# Altium PCB PCB_ADC 原版.PcbDoc (continued)
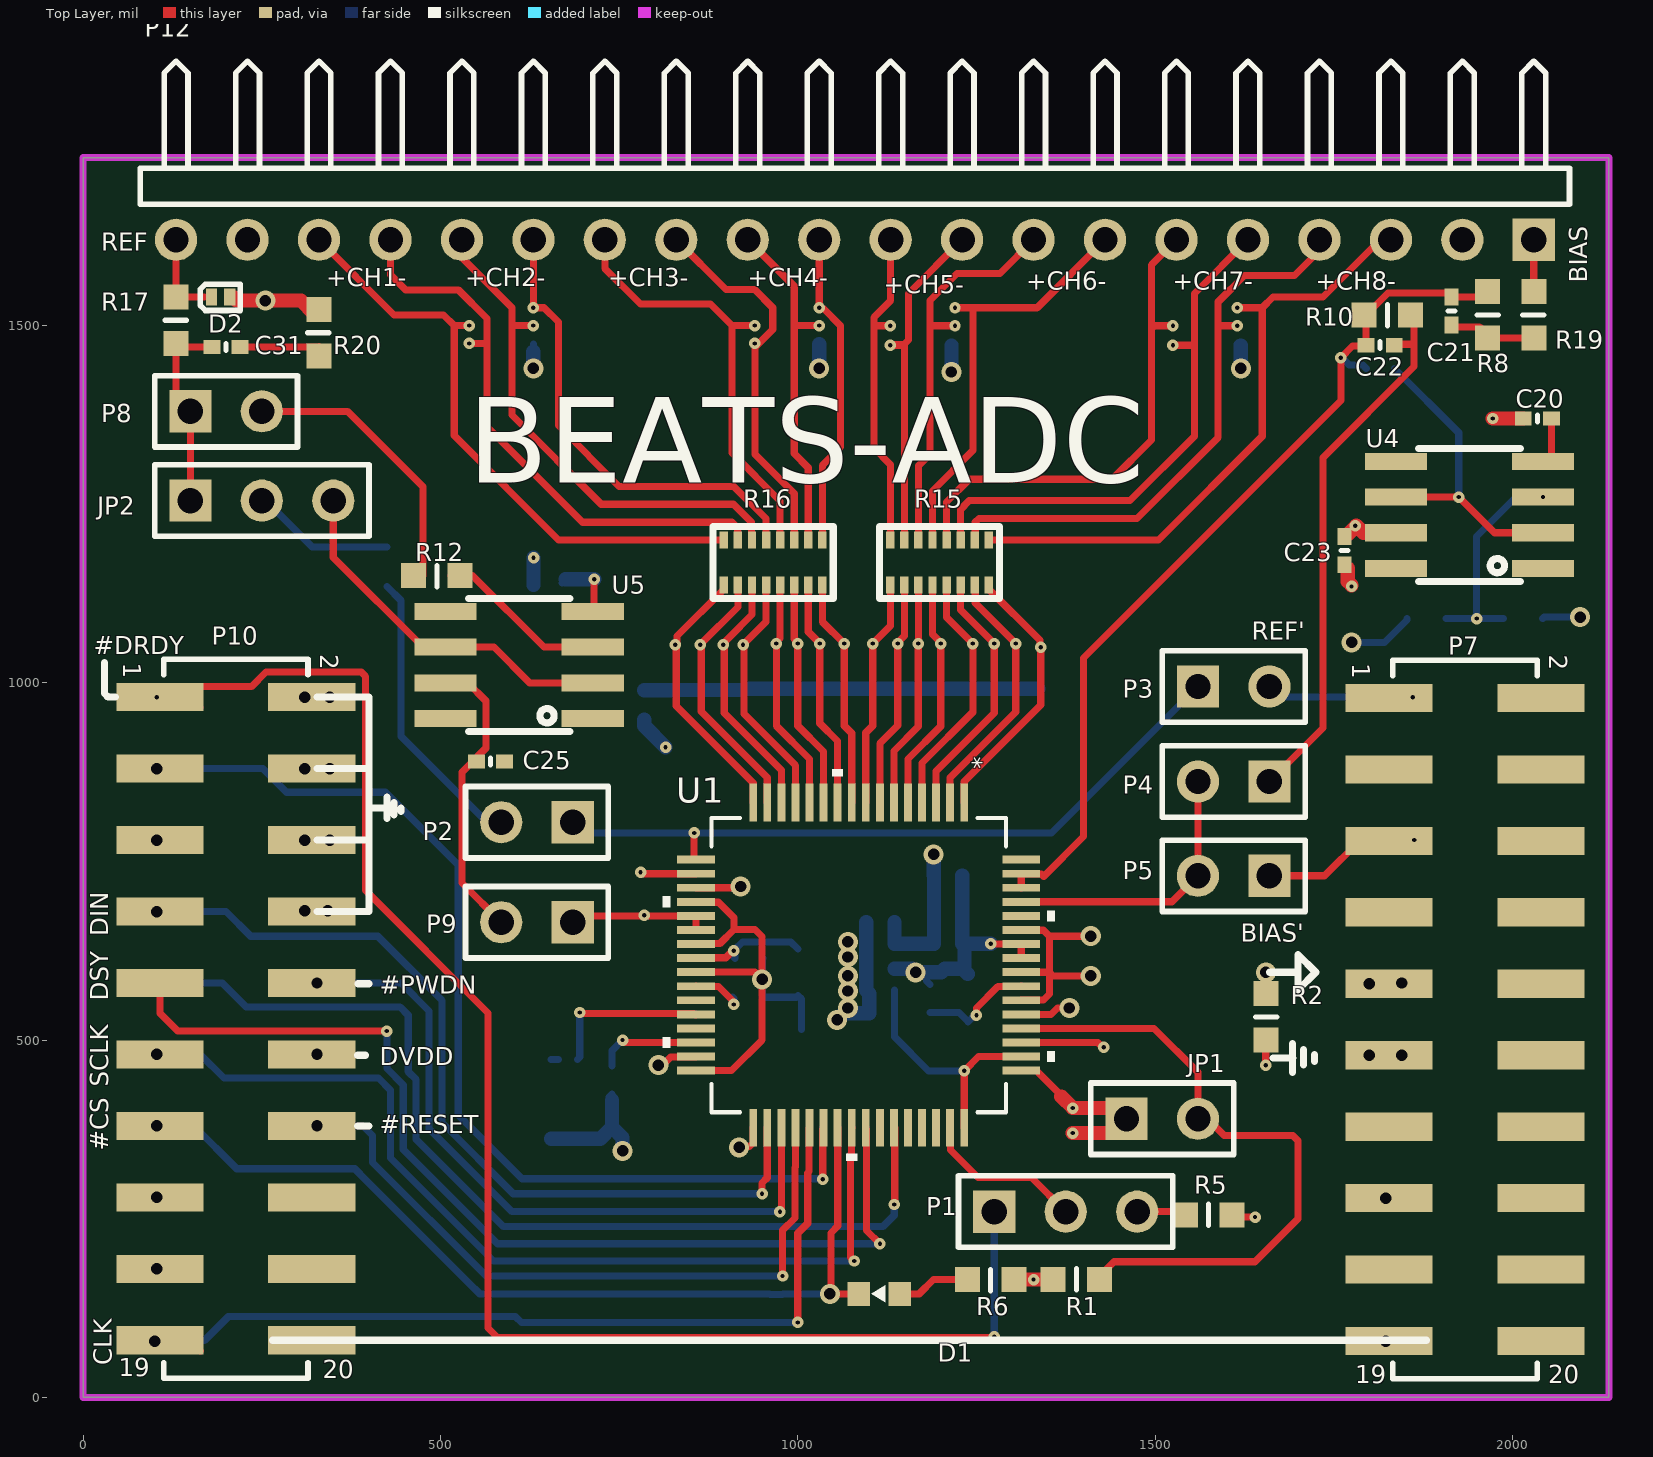
[diagram p0: Top Layer view]
## Footprints (in the part's own frame and the unit in brackets; to place one, negate y for a bottom-side part, rotate by r counter-clockwise, add the part's x,y. Pads: shape width x height; smd on the part's side, far side on the other; paste and mask are expansions set on the pad) (continued)
  silkscreen extent -12.77,-2.6 12.76,2.6, body extent -12.73,-3.2 12.73,3.2, height 5.15
LED_0603_G [mm]
  rect 0.8x0.85 smd: 1(-0.73,0) 2(0.73,0)
  silkscreen extent -0.22,-0.3 0.28,0.3, body extent -0.81,-0.4 0.81,0.4, height 0.6
PAG64_TEX [mil]
  rect 53x11 smd paste+0 mask+0: 1(-227.5,147.64) 2(-227.5,127.95) 3(-227.5,108.27) 4(-227.5,88.58) 5(-227.5,68.9) 6(-227.5,49.21) 7(-227.5,29.53) 8(-227.5,9.84) 9(-227.5,-9.84) 10(-227.5,-29.53) 11(-227.5,-49.21) 12(-227.5,-68.9) 13(-227.5,-88.58) 14(-227.5,-108.27) 15(-227.5,-127.95) 16(-227.5,-147.64) 33(227.5,-147.64) 34(227.5,-127.95) 35(227.5,-108.27) 36(227.5,-88.58) 37(227.5,-68.9) 38(227.5,-49.21) 39(227.5,-29.53) 40(227.5,-9.84) 41(227.5,9.84) 42(227.5,29.53) 43(227.5,49.21) 44(227.5,68.9) 45(227.5,88.58) 46(227.5,108.27) 47(227.5,127.95) 48(227.5,147.64)
  rect 11x53 smd paste+0 mask+0: 17(-147.64,-227.5) 18(-127.95,-227.5) 19(-108.27,-227.5) 20(-88.58,-227.5) 21(-68.9,-227.5) 22(-49.21,-227.5) 23(-29.53,-227.5) 24(-9.84,-227.5) 25(9.84,-227.5) 26(29.53,-227.5) 27(49.21,-227.5) 28(68.9,-227.5) 29(88.58,-227.5) 30(108.27,-227.5) 31(127.95,-227.5) 32(147.64,-227.5) 49(147.64,227.5) 50(127.95,227.5) 51(108.27,227.5) 52(88.58,227.5) 53(68.9,227.5) 54(49.21,227.5) 55(29.53,227.5) 56(9.84,227.5) 57(-9.84,227.5) 58(-29.53,227.5) 59(-49.21,227.5) 60(-68.9,227.5) 61(-88.58,227.5) 62(-108.27,227.5) 63(-127.95,227.5) 64(-147.64,227.5)
  silkscreen extent -274,-274 274,274, body extent -240,-240 240,240, height 47
SOIC8 [mil]
  rect 24x87 smd: 1(-75,-103) 2(-25,-103) 3(25,-103) 4(75,-103) 5(75,103) 6(25,103) 7(-25,103) 8(-75,103)
  silkscreen extent -93,-71 93,71

## Part data
C1 C2 C5 C6 C7 C8 C9 C10 C11 C12 C13 C14 C15 C16 C17 C18 C19 C20 C21 C22 C23 C24 C25 C31: "Capacitor", LatestRevisionDate=17-Jul-2002, LatestRevisionNote="Re-released for DXP Platform.", PackageDescription="Radial Cap, Thru-Hole; 2 Leads; 0.3 in Pin Spacing", PackageReference=RAD-0.3, Published=8-Jun-2000, Publisher="Altium Limited"
C27 C28 C29 C30: library part Cap, "CAP .1UF 50V CERAMIC Y5V 0805", Capacitance=4700pF, Dielectric Material=Ceramic, Manufacturer=TDK, Manufacturer Part Number=CKCA43X7R1H472M100AA, Number of Capacitors=4, Package / Case="1206 (3216 Metric)", PCN Part Number="MLCC Part Number Change 30/Nov/2012", Ratings=-, Standard Package=1, Supplier Part Number 1=445-1853-1-ND, Temperature Coefficient=X7R, Tolerance=±20%, Catalog Drawings="CKC 1206 Series CKC 1206 Series Footprint", Category=Capacitors, Circuit Type=Isolated, ComponentLink1Description=https://datasheet.ciiva.com/7615/mlccspec-commercial-array-en-7615142.pdf, ComponentLink1URL=https://datasheet.ciiva.com/7615/mlccspec-commercial-array-en-7615142.pdf, ComponentLink2Description=https://datasheet.ciiva.com/7615/mlccspec-commercial-array-en-7615147.pdf, ComponentLink2URL=https://datasheet.ciiva.com/7615/mlccspec-commercial-array-en-7615147.pdf, ComponentLink3Description=https://datasheet.ciiva.com/7615/mlccspec-commercial-array-en-7615148.pdf, ComponentLink3URL=https://datasheet.ciiva.com/7615/mlccspec-commercial-array-en-7615148.pdf, ComponentLink4Description=https://datasheet.ciiva.com/24216/ckca43x7r1h472m100aa-266209-24216735.pdf, ComponentLink4URL=https://datasheet.ciiva.com/24216/ckca43x7r1h472m100aa-266209-24216735.pdf, Description1="Cap Ceramic Array 0.0047uF 50V X7R 20% 1206 SMD 4 Capacitor 125C Plastic T/R", Family="Capacitor Arrays", Featured Product="CKC Series", Height - Seated (Max)="0.051\" (1.30mm)", Mounting Type="Surface Mount", Online Catalog="CKC Series", Other Names=445-1853-1, Packaging="Cut Tape (CT)? ?", Pricing 1="1=0.33, 10=0.228, 100=0.129, 500=0.0911, 1000=0.0797 (USD)", Product Training Modules="CKC Series Array Capacitor Family", Revision="July-2002: Re-released for DXP Platform.", RoHS Information="RoHS Certificate-MLCC", Series=CKC, Size / Dimension="0.126\" L x 0.063\" W (3.20mm x 1.60mm)", Stock 1=155348, Supplier 1=Digi-Key, Voltage - Rated=50V
D1: Package=0603, LatestRevisionDate=08-Jul-2005, LatestRevisionNote="Mech Layer 1 removed.", PackageDescription="LED; 2 Leads", PackageReference=0603, Published=8-Jun-2000, Publisher=JonesLee
D2: Manufacturer="Texas Instruments", Supplier Part Number 1=296-47864-1-ND, Manufacturer Part Number=TPD1E0B04DPYR, Pricing 1="1=0.43, 10=0.346, 100=0.2353, 500=0.1765, 1000=0.1324 (USD)", Stock 1=6850, Supplier 1=Digi-Key
JP1 P2 P3 P4 P5 P8 P9: "Header, 2-Pin", LatestRevisionDate=17-Jul-2002, LatestRevisionNote="Re-released for DXP Platform.", Publisher="Altium Limited"
JP2: library part "Header 3", "Header, 3-Pin", LatestRevisionDate=17-Jul-2002, LatestRevisionNote="Re-released for DXP Platform.", Publisher="Altium Limited"
P1: "Header, 3-Pin", LatestRevisionDate=17-Jul-2002, LatestRevisionNote="Re-released for DXP Platform.", Publisher="Altium Limited"
P6 P10 P11: "Header, 10-Pin, Dual row", LatestRevisionDate=17-Jul-2002, LatestRevisionNote="Re-released for DXP Platform.", Publisher="Altium Limited"
P7: "SMT Vertical Pin Header WR-PHD, Pitch 2.54 mm, Dual Row, 20 pins", Contact Resistance="20 mOhm", Operating Temperature="-40 to 125 degC", Rated Current="3 A", Withstanding Voltage="500 VAC", Working Voltage="250 VAC", ComponentLink1Description=Manufacturer, ComponentLink1URL=http://www.we-online.de, ComponentLink2Description=Datasheet, ComponentLink2URL=https://katalog.we-online.de/em/datasheet/6100xx21121.pdf, Gender=Male, Mounting Technology=SMT, Orientation=Vertical, Packaging=Tube, Part Number=61002021121, Pin Number=20, Pitch="2.54 mm", Published Date="August 2018", Publisher="Wurth Elektronik", Row Number=Dual
P12: "Header, 20-Pin, Right Angle", LatestRevisionDate=17-Jul-2002, LatestRevisionNote="Re-released for DXP Platform.", Publisher="Altium Limited"
R1 R2 R5 R6 R7 R8 R9 R10 R11 R12 R13 R17 R19: "Resistor", Published=8-Jun-2000, Publisher="Altium Limited"
  R1 R5 R6 R7 R8 R9 R10 R11 R12 R17 R19: LatestRevisionDate=17-Jul-2002, LatestRevisionNote="Re-released for DXP Platform.", PackageDescription="Axial Device, Thru-Hole; 2 Leads; 0.3 in Pin Spacing", PackageReference=AXIAL-0.3
  R2 R13: LatestRevisionDate=29-May-2009, LatestRevisionNote="IPC-7351 Footprint Added.", PackageDescription="Chip Resistor", PackageReference=J1-0603
R15 R16: "Resistor", Case Size="0402 (1005 Metric)", Manufacturer=Panasonic, Manufacturer Part Number=EXB-2HV472JV, Power Dissipation="0.063 W", Resistance=4.7K, Supplier Part Number 1=Y1472CT-ND, Tolerance (%)="±5 %", Voltage Rating="50 V", ComponentLink1Description=https://datasheet.ciiva.com/19466/1387876-19466987.pdf, ComponentLink1URL=https://datasheet.ciiva.com/19466/1387876-19466987.pdf, ComponentLink2Description=https://datasheet.ciiva.com/28636/1790599-28636958.pdf, ComponentLink2URL=https://datasheet.ciiva.com/28636/1790599-28636958.pdf, ComponentLink3Description=https://datasheet.ciiva.com/30089/aoc0000ce1-30089086.pdf, ComponentLink3URL=https://datasheet.ciiva.com/30089/aoc0000ce1-30089086.pdf, Description1="Res Thick Film Array 4.7K Ohm 5% 1/4W ±200ppm/°C ISOL 16-Pin 1506(8 X 0402) Convex SMD Punched Carrier T/R", No of Elements=8, Pricing 1="1=0.29, 10=0.248, 25=0.1804, 50=0.1308, 100=0.097, 250=0.0744, 500=0.0586, 1000=0.0406 (USD)", Stock 1=49295, Supplier 1=Digi-Key
R18 R20: "Resistor", Manufacturer=Panasonic, Manufacturer Part Number=ERJ-2GE0R00X, Operating Temperature="-55°C ~ 155°C", Package / Case="0402 (1005 Metric)", Power (Watts)="0.1W, 1/10W", Resistance (Ohms)=0R, Standard Package=1, Supplier Device Package=0402, Supplier Part Number 1=P0.0JCT-ND, Temperature Coefficient=-, Tolerance=Jumper, Category=Resistors, ComponentLink1Description=https://datasheet.ciiva.com/48531/aoa0000ce1-48531077.pdf, ComponentLink1URL=https://datasheet.ciiva.com/48531/aoa0000ce1-48531077.pdf, ComponentLink2Description=https://datasheet.ciiva.com/16783/70260739-16783734.pdf, ComponentLink2URL=https://datasheet.ciiva.com/16783/70260739-16783734.pdf, ComponentLink3Description=https://datasheet.ciiva.com/11821/0900766b80f806dd-11821176.pdf, ComponentLink3URL=https://datasheet.ciiva.com/11821/0900766b80f806dd-11821176.pdf, ComponentLink4Description=https://datasheet.ciiva.com/17215/aoa0000ce1-17215386.pdf, ComponentLink4URL=https://datasheet.ciiva.com/17215/aoa0000ce1-17215386.pdf, ComponentLink5Description=https://datasheet.ciiva.com/43460/1678796-43460347.pdf, ComponentLink5URL=https://datasheet.ciiva.com/43460/1678796-43460347.pdf, ComponentLink6Description=https://datasheet.ciiva.com/5959/1678796-5959692.pdf, ComponentLink6URL=https://datasheet.ciiva.com/5959/1678796-5959692.pdf, ComponentLink7Description=https://datasheet.ciiva.com/30097/4aoa0000ce1-30097116.pdf, ComponentLink7URL=https://datasheet.ciiva.com/30097/4aoa0000ce1-30097116.pdf, ComponentLink8Description=https://datasheet.ciiva.com/28695/1678796-28695758.pdf, ComponentLink8URL=https://datasheet.ciiva.com/28695/1678796-28695758.pdf, ComponentLink9Description=https://datasheet.ciiva.com/46389/1678796-46389518.pdf, ComponentLink9URL=https://datasheet.ciiva.com/46389/1678796-46389518.pdf, ComponentLink10Description=https://datasheet.ciiva.com/16778/70260739-16778335.pdf, ComponentLink10URL=https://datasheet.ciiva.com/16778/70260739-16778335.pdf, Composition="Thick Film", Description1="Res Thick Film 0402 0 Ohm Molded SMD Automotive T/R", EDA / CAD Models="Download from Accelerated Designs", Family="Chip Resistor - Surface Mount", Features="Automotive AEC-Q200", Height="0.016\" (0.40mm)", Number of Terminations=2, Online Catalog="ERJ Series", Other Names=P0.0JDKR, Packaging="Digi-Reel?? ?", Pricing 1="1=0.1, 10=0.037, 25=0.0268, 50=0.0204, 100=0.015, 250=0.0114, 500=0.0091, 1000=0.0067, 5000=0.0048 (USD)", Series=ERJ, Size / Dimension="0.039\" L x 0.020\" W (1.00mm x 0.50mm)", Stock 1=31263960, Supplier 1=Digi-Key
U1: "No Description Available", Mfr_Name="Texas Instruments", Copyright="Copyright (C) 2021 Ultra Librarian. All rights reserved.", Manufacturer_Part_Number=ADS1299IPAG, RefDes=RefDes, Type=DEV
U4 U5: "Precision, Low Noise, Low Iq Operational Amplifier", Manufacturer="Texas Instruments", PACKAGE_DESIGNATOR=D, Copyright="Copyright (C) 2018 Accelerated Designs. All rights reserved", Datasheet_URL=http://www.ti.com/lit/gpn/OPA376, FAMILY_NAME="LOW OFFSET VOLTAGE", GENERIC_PART_NUMBER=OPA376, INDUSTRY_STD_PKG_TYPE=SOIC, Manufacturer_Part_Number=OPA376AID, PIN_COUNT=8, RefDes=RefDes, Type=DEV, Vendor="Texas Instruments"
U6 U7 U8 U9: Capacitance Value="1 pF", ESD Protection Voltage="±18@Air Gap/±18@Contact Disc kV", Manufacturer="Texas Instruments", Maximum Clamping Voltage="15(Typ) V", Maximum Leakage Current="0.01 uA", Maximum Operating Temperature="125 °C", Maximum Working Voltage="5.5 V", Minimum Operating Temperature="-40 °C", Supplier Part Number 1=296-39346-1-ND, Category="ESD Suppressors", ComponentLink1Description=https://datasheet.ciiva.com/12545/tpd4e1b06-224687-12545147.pdf, ComponentLink1URL=https://datasheet.ciiva.com/12545/tpd4e1b06-224687-12545147.pdf, ComponentLink2Description=https://datasheet.ciiva.com/6574/tpd4e1b06-6574671.pdf, ComponentLink2URL=https://datasheet.ciiva.com/6574/tpd4e1b06-6574671.pdf, Description1="TVS DIODE 5.5VWM 14.5VC SC70-6", Direction Type=Uni-Directional, Manufacturer Part Number=TPD4E1B06DCKR, Mounting="Surface Mount", Number of Elements per Chip=4, Pin Count=6, Pricing 1="1=0.61, 10=0.519, 100=0.3876, 500=0.3046, 1000=0.2353 (USD)", Stock 1=120901, Supplier 1=Digi-Key, Type="Diode Arrays"

## Via types
v1: diameter 16, hole 6, Top Layer to Bottom Layer, 89 vias
v2: diameter 28, hole 16, Top Layer to Bottom Layer, 50 vias

## Nets (pads, with @x,y where several pads share a name; then routed paths per layer and width w, separated by ;. In a path a pad name is that pad's centre, name@x,y a point inside that pad or via, vN(x,y) a via of type N, cw(c..) or ccw(c..) an arc to the next point about the centre after c; other vN are vias at no path point)
AGND: C10.2 C13.2 C14.1 C15.1 C18.2 C19.2 C20.1 C23.1 C24.2 C25.2 D2.1 P6.9 P6.11 P7.9 P7.11 R2.2 R18.1 R20.1 U1.18 U1.31 U6.3 U7.3 U8.3 U9.3 | length 791.4
  Top Layer w10: R20.1@323.19,1516.5 325.16,1516.5 330,1511.65 R20.1@330,1509.68 ; v1(780,735) 781.62,735 783.66,732.97 U1.18 ; v2(805,465) 810.72,465 822.28,476.56 857.32,476.56 U1.31 ; v2(1655,595) 1655,570.12 R2.2@1660,565.12 ; C23.1 C23.1@1769.84,1160.47 ; v1(1775,1135) v1@1775,1136.62
  Top Layer w20: D2.1@210,1540 215,1535 v2(255,1535) 304.69,1535 R20.1@323.19,1516.5 ; C23.1@1769.84,1160.47 1769.84,1141.78 v1@1775,1136.62 ; v1(1972.44,1370) C20.1
  Bottom Layer w10: U9.3 630.31,1463.51 ; R18.1@785,948.35 R18.1@785,950.32 ; U8.3 U8.3@1030,1473.91 ; U7.3@1215,1472.11 1217,1474.11 U7.3 ; U6.3 1618,1474.11 U6.3@1620,1472.11
  Bottom Layer w20: v2(630,1440) 630,1463.19 630.31,1463.51 ; C24.2 v1(630.31,1175) ; R18.1@785,948.35 785,940 v1(815,910) ; v2(1030,1440) U8.3@1030,1473.91 ; v2(1055,528.26) 1064.25,537.52 1100,537.52 C18.2@1100,564.86 ; C18.2 C15.1 C10.2 C13.2 ; v2(1215,1435) U7.3@1215,1472.11 ; v2(1620,1440) U6.3@1620,1472.11
  other v2: 1800,478.91 1845,478.91 1070,545 1070,568.82 1800,578.91 1845,580 1070,590 1070,616.37 1070,637.54
AVDD: C10.1 C11.2 C12.2 C13.1 C16.2 C17.2 C23.2 P6.19 P7.19 P9.1 R11.2 U1.19 U1.21 U1.22 U1.54 U1.56 U1.59 U4.7 | length 932.8
  Top Layer w10: v1(685,665) 693.91,673.91 U1.21 U1.22 ; U1.19@858.32,712.78 U1.19 916.66,713.28 918.38,715 v2(920,715) ; U1.54 1313.32,556.3 1344.02,556.3 1352.32,564.6 1352.32,595 ; U1.56 1312.99,595 1352.32,595 ; U1.59 1313.32,653.73 1344.02,653.73 1352.32,645.43 ; v2(1410,590) 1357.32,590 1352.32,595 ; v2(1410,645.43) 1352.32,645.43 ; C23.2 C23.2@1766.74,1204.68 ; v1@1779.05,1217 v1@1784.62,1217 ; v1(1780,1220) v1@1781.62,1220 ; 1352.32,595 1352.32,645.43
  Top Layer w20: C23.2@1766.74,1204.68 v1@1779.05,1217 ; v1@1781.62,1220 1784.62,1217 1791.62,1210 U4.7
  Bottom Layer w10: R11.2@2042.56,1090 2044.67,1092.11 v2(2095,1092.11)
  Bottom Layer w20: C13.1 C10.1 C16.2 C17.2 C12.2 C11.2 ; C11.2@1190.31,730.63 v2@1190.31,759.67
  other v1: 785,675
  other v2: 1822.8,78.91 1190,759.98
AVSS: C1.2 C2.2 C5.1 C6.1 C7.1 C8.1 C9.1 C11.1 C12.1 C14.2 C15.2 C16.1 C17.1 C24.1 P6.15 P7.15 R7.1 U1.20 U1.23 U1.25 U1.32 U1.53 U1.57 U1.58 U5.4 | length 1484.6
  Top Layer w10: U5.4 715,1102 v1(715,1145) ; U1.32 907.38,457.38 950,500 v2(950,585) ; U1.25 939.83,595.17 v2(950,585) ; U1.23 858.32,635.04 890.8,635.04 910.76,655 ; U1.20 858.32,693.1 889.02,693.1 910.76,671.36 910.76,655 ; v1(1270,635.02) 1270.47,634.54 U1.58 U1.57 ; U1.53 1354.49,536.12 1363.38,545 v2(1380,545) ; 910.76,655 940,655 950,645 v2(950,585)
  Bottom Layer w10: C24.1@670,1140 C24.1@675,1145 ; C9.1@740,416.07 735.75,420.32 C9.1 ; C5.1 950.75,613.95 950.75,560.76 C7.1 997.82,560.02 C6.1 1005,557.83 C14.2 ; v2(1165,595) 1178.39,595 1180.16,593.23 1180.16,582.89 C2.2 ; C16.1@1233.19,630.17 C16.1@1238.03,635.02 ; v2(1775,1056.62) 1821.03,1056.62 1852.44,1088.03 R7.1@1852.44,1090
  Bottom Layer w20: C8.1 723.5,361.85 740,378.35 ; C24.1@675,1145 v1(715,1145) ; C9.1@740,416.07 740,378.35 ; v2(754.84,345) 754.84,363.51 740,378.35 ; C15.2 1135.48,599.86 1160.14,599.86 v2(1165,595) ; v2@1178.39,595 1200.65,595 1205.67,600.02 1230.53,600.02 C1.2 ; C16.1 C17.1 C12.1 C11.1 ; C1.2@1233.19,600.02 C16.1@1233.19,630.17 ; C16.1@1238.03,635.02 v1(1270,635.02)
  other v2: 1822.8,278.91
DVDD: C18.1 C19.1 P10.12 P11.12 R1.2 R6.2 U1.48 U1.50 | length 415.3
  Top Layer w10: U1.48 v1(1232.95,457.05) 1252.97,477.06 U1.50
  Top Layer w20: R6.2@1297.56,165 v1(1330,165) R1.2@1362.44,165
  Bottom Layer w10: C18.1 1135.32,504.7 1182.97,457.05 v1(1232.95,457.05)
  other v2: 327.21,480
GND: JP1.1 P10.2 P10.4 P10.6 P10.8 P11.2 P11.4 P11.6 P11.8 R2.1 R5.1 U1.33 U1.49 U1.51 | length 494.3
  Top Layer w10: v2(917.98,350) 920.95,350 925,354.05 927.91,351.15 932.31,351.15 937.68,356.52 U1.33 ; U1.49 1333.82,457.38 1368.74,422.46 1368.74,421.26 ; U1.51 1419.94,496.75 1426.68,490 v1(1428.31,490) ; JP1.1@1440,370 JP1.1 JP1.1@1445,405 ; R5.1@1605,252.44 v1(1640,252.44) ; v1(1655,465) 1655,490.41 R2.1@1660,495.41
  Top Layer w20: 1368.74,421.26 v1(1385,405) JP1.1@1445,405 ; v1(1385,370) JP1.1@1440,370
  Bottom Layer w10: 1605,252.44 1607.56,255
  other v2: 310,681.24 342.11,681.24 310,780 345,780 310,880 345,880 310,980 345,980
NetC1_1: C1.1 C2.1 U1.55 | length 160.5
  Top Layer w10: v1(1250,535) 1250,545 1279.99,574.99 1312.32,574.99 U1.55
  Bottom Layer w10: C2.1 1225.53,538.68 1238.03,526.18 1238.03,525.32 1247.72,535 v1(1250,535)
NetC5_2: C5.2 C6.2 U1.24 | length 176.9
  Top Layer w10: U1.24 858.32,615.36 899.19,615.36 908.83,625 v1(910.46,625)
  Bottom Layer w10: v1(910.46,625) 910.46,616.37 C5.2 912.13,627.13 922.54,637.54 990.29,637.54 C6.2
NetC7_2: C7.2 U1.26 | length 76.8
  Top Layer w10: U1.26 858.32,574.99 889.02,574.99 909.17,554.84 909.17,551.15 v1(910.32,550)
  Bottom Layer w10: C7.2@908.66,560.02 C7.2@910.32,558.36 ; v1(910.32,550) C7.2@910.32,557.73 ; C7.2@910.32,557.73 C7.2@910.32,558.36 ; C7.2@910.32,557.73 910.63,558.05 C7.2@910.32,558.36
NetC8_2: C8.2 U1.28 | length 241.4
  Top Layer w10: v1(695,538.68) 696.37,537.3 855.63,537.3 857.32,535.62 U1.28
  Bottom Layer w10: C8.2@655,473.15 C8.2@665.25,473.15 ; C8.2@691.85,473.15 695,476.3 v1(695,538.68)
NetC9_2: C9.2 U1.30 | length 146.8
  Top Layer w10: v1(754.84,500.16) 758.25,496.75 U1.30
  Bottom Layer w10: C9.2 740,485.32 v1(754.84,500.16)
NetC20_2: C20.2 U4.4 | length 67.6
  Top Layer w10: U4.4 2047.69,1310 2054.69,1317 C20.2
NetC21_1: C21.1 C22.2 R8.2 R9.1 R10.1 U1.62 U1.63 | length 1263.9
  Top Layer w10: U1.62 U1.63 1313.32,732.47 1340.82,732.47 1344.14,729.14 1400,785 1400,1035 1760,1395 v1(1760,1455) 1776.26,1471.26 1794.08,1471.26 C22.2 1795.31,1512.87 1797.44,1515 1797.44,1516.97 1826.19,1545.72 1910.16,1545.72 1915,1540.87 C21.1 1962.44,1540 R8.2@1965,1542.56
  Bottom Layer w10: v1(1760,1455) 1761.62,1455 1771.78,1444.84 1790.79,1444.84 R9.1@1795.63,1440
NetC21_2: C21.2 R8.1 R19.2 | length 122.5
  Top Layer w10: C21.2 1917.44,1498.19 1954.25,1498.19 1965,1487.44 1969.94,1482.5 R19.2
NetC22_1: C22.1 P4.1 R10.2 | length 769.6
  Top Layer w10: v1(1660,861.87) 1735,936.87 1735,1315 1862.56,1442.56 1862.56,1473.78 ; C22.1 1835.97,1473.78 1862.56,1473.78 ; R10.2@1852.56,1515 1862.56,1505 1862.56,1473.78
NetC25_1: C25.1 P9.2 U5.7 | length 413.5
  Top Layer w10: U5.7 538.5,1000 563.5,975 563.5,908.5 530,875 530,720 P9.2
NetC27_A1: C27.A1 R15.B1 U1.1 | length 378.9
  Top Layer w10: U1.1 1232.95,861.87 1340,968.91 v1(1340,1050) 1338.85,1051.15 1338.85,1059.57 1267.32,1131.1 R15.B1
NetC27_A2: C27.A2 R15.B2 U1.2 | length 366.2
  Top Layer w10: U1.2 1213.27,867.64 1305,959.37 v1(1305,1055) 1248.42,1111.58 1248.42,1136.23 R15.B2
NetC27_A3: C27.A3 R15.B3 U1.3 | length 350.2
  Top Layer w10: U1.3@1193.58,840 1193.58,876.22 1275,957.64 v1(1275,1055) 1227.95,1102.05 R15.B3
NetC27_A4: C27.A4 R15.B4 U1.4 | length 349.2
  Top Layer w10: U1.4 1173.9,887.81 1245,958.91 v1(1245,1055) 1208.27,1091.73 R15.B4
NetC27_B1: C27.B1 C27.B2 C27.B3 C27.B4 C28.B1 C28.B2 C28.B3 C28.B4 C29.B1 C29.B2 C29.B3 C29.B4 C30.B1 C30.B2 C30.B3 C30.B4 R18.2 | length 552.4
  Bottom Layer w10: C30.B4@830.2,989.69 C30.B4 ; C30.B1 C30.B1@926.76,991.76
  Bottom Layer w20: R18.2@785,989.69 C30.B4@830.2,989.69 ; C30.B4 C30.B3 C30.B2 C30.B1 ; C30.B1@926.76,991.76 C29.B4 C29.B3 C29.B2 C29.B1 C28.B4 C28.B3 C28.B2 C28.B1 C27.B4 C27.B3 C27.B2 C27.B1
NetC28_A1: C28.A1 R15.B5 U1.5 | length 328.2
  Top Layer w10: U1.5 1154.21,893.58 1200,939.37 v1(1200,1055) 1200,1056.62 1188.58,1068.04 R15.B5
NetC28_A2: C28.A2 R15.B6 U1.6 | length 318.7
  Top Layer w10: U1.6 1134.53,904.69 1168.58,938.74 v1(1168.58,1055) 1168.74,1055.16 1168.74,1136.85 R15.B6
NetC28_A3: C28.A3 R15.B7 U1.7 | length 318.7
  Top Layer w10: U1.7 1114.84,915.32 1140,940.47 v1(1140,1055) 1140,1056.62 1149.21,1065.84 R15.B7
NetC28_A4: C28.A4 R15.B8 U1.8 | length 318.7
  Top Layer w10: U1.8 1095.16,930.16 1105,940 v1(1105,1055) 1129.53,1079.53 R15.B8
NetC29_A1: C29.A1 R16.B1 U1.9 | length 321.5
  Top Layer w10: R16.B1 1034.37,1085.63 v1(1065,1055) 1065,940 1075.47,929.53 U1.9
NetC29_A2: C29.A2 R16.B2 U1.10 | length 321.5
  Top Layer w10: R16.B2 1014.69,1071.42 1030.79,1055.32 v1(1030.79,1055) 1030.79,943.58 1055.79,918.58 U1.10
NetC29_A3: C29.A3 R16.B3 U1.11 | length 321.5
  Top Layer w10: R16.B3 995,1061.62 1000,1056.62 v1(1000,1055) 1000,940 1036.1,903.9 U1.11
NetC29_A4: C29.A4 R16.B4 U1.12 | length 325.9
  Top Layer w10: R16.B4 975.32,1061.94 970,1056.62 v1(970,1055) 970,940 1016.42,893.58 U1.12
NetC30_A1: C30.A1 R16.B5 U1.13 | length 346.9
  Top Layer w10: R16.B5 955.63,1085.63 925,1055 925,956.34 996.73,884.61 U1.13
  other v1: 923.5,1053.24
NetC30_A2: C30.A2 R16.B6 U1.14 | length 353.7
  Top Layer w10: R16.B6 935.94,1095.64 904,1063.7 904,1063.59 897.04,1056.62 897.04,957.65 977.05,877.64 U1.14
  other v1: 895.54,1053.24
NetC30_A3: C30.A3 R16.B7 U1.15 | length 364
  Top Layer w10: R16.B7 916.26,1106.26 865,1055 865,960 957.36,867.64 U1.15
  other v1: 863.5,1053.24
NetC30_A4: C30.A4 R16.B8 U1.16 | length 376.7
  Top Layer w10: R16.B8 896.57,1131.1 831.15,1065.68 831.15,1056.15 830,1055 830,967.58 937.68,859.9 U1.16
  other v1: 828.5,1053.24
NetC31_1: C31.1 R20.2 | length 110.4
  Top Layer w10: C31.1 329.68,1470 R20.2@330,1470.31
NetC31_2: C31.2 JP2.1 P8.1 R17.2 | length 280.7
  Top Layer w10: v1(150,1255) v1(150,1380) 130,1400 R17.2 135,1470 C31.2
NetD1_1: D1.1 R6.1 | length 108.2
  Top Layer w10: D1.1 1170,145 1190,165 R6.1@1242.44,165
NetD1_2: D1.2 P10.13 P11.13 U1.39 | length 1305.7
  Top Layer w10: U1.39@1056,377.52 1056,240 1046.3,230.3 1046.3,145.3 1046,145 D1.2@1074.4,145
  Bottom Layer w10: v2(102.8,380) 155,380 215,320 380,320 387,313 387,312.54 547.54,152 548,152 555,145 960.3,145 961.3,144 978.7,144 979.7,145 v2(1045,145)
NetD2_2: D2.2 P12.20 R17.1 | length 120
  Top Layer w10: P12.20 R17.1 170,1540
NetJP1_2: JP1.2 R1.1 U1.52 | length 917.2
  Top Layer w10: U1.52 1498.57,516.43 1560,455 JP1.2 1573.27,390 1596.8,366.47 1692.67,366.47 1700,359.14 1700,250 1640,190 1442.56,190 R1.1@1417.56,165
NetJP2_2: JP2.2 R13.2 | length 201.9
  Bottom Layer w10: v1(250,1255) 255.59,1255 320.59,1190 R13.2@425,1190
NetJP2_3: JP2.3 U5.2 U5.6 | length 515.2
  Top Layer w10: v1(350,1255) 350,1175.5 475.5,1050 U5.6 575,1050 625,1000 U5.2
NetP1_1: P1.1 P10.1 P11.1 | length 2256.6
  Top Layer w10: P10.1@163.43,965.31 148.74,980 P10.1 122.09,994.69 235.59,994.69 255.91,1015 389.14,1015 395,1009.14 395,709.69 566.63,538.06 566.63,97.37 580,84 1274,84 v1(1275,85)
  Bottom Layer w10: P11.1@85,980 v1(102.8,980) ; v1(1275,85) v1(1275,260)
NetP1_2: P1.2 U1.47 | length 228.4
  Top Layer w10: U1.47 1213.77,377.02 1213.77,346.32 1252.23,307.85 1327.15,307.85 v1(1375,260)
NetP1_3: P1.3 R5.2 | length 74.5
  Top Layer w10: v1(1475,260) 1542.44,260 R5.2@1547.44,255
NetP2_1: P2.1 P3.1 U1.17 | length 1006
  Top Layer w10: v1(855,790) 855,753.15 855.5,752.65 U1.17
  Bottom Layer w10: v1(685,805) 700,790 v1(855,790) 1355,790 v1(1560,995)
NetP2_2: P2.2 R13.1 | length 407.9
  Bottom Layer w10: R13.1@425,1134.88 445,1114.88 445,925 565,805 v1(585,805)
NetP3_2: P3.2 P6.1 P7.1 | length 200.6
  Bottom Layer w10: P3.2@1660,980 v1(1860.59,980)
  other v1: 1660,995
NetP4_2: P4.2 P5.2 U1.61 | length 394.1
  Top Layer w10: U1.61 1523.6,693.6 v1(1560,730) v1(1560,861.87)
NetP5_1: P5.1 P6.5 P7.5 | length 187.7
  Top Layer w10: v1(1660,730) 1737.15,730 1786.06,778.91 P7.5
  other v1: 1862.8,780
NetP8_2: P8.2 R12.1 | length 393.6
  Top Layer w10: v1(250,1380) 370,1380 475.32,1274.68 R12.1@475.32,1150
  other v1: 250,1380
NetP10_3: P10.3 P11.3 U1.38 | length 1447.7
  Top Layer w10: v1(1035,305.46) 1035,376.41 1035.95,377.36 U1.38
  Bottom Layer w10: v2(102.8,880) 251.34,880 284.42,846.92 423.08,846.92 524.91,745.09 524.91,395.09 614,306 1034.46,306 v1(1035,305.46)
NetP10_7: P10.7 P11.7 U1.34 | length 1206.5
  Top Layer w10: v1(950,285) 950,300 957.36,307.36 U1.34
  Bottom Layer w10: v2(102.8,680) 200,680 234.57,645.43 412.3,645.43 502,555.73 502,384.85 601.85,285 v1(950,285)
NetP10_9: P10.9 U1.41 | length 1437.9
  Top Layer w10: P10.9 107.4,537.6 132.31,512.69 v1(425,512.69) ; U1.41 1096.34,376.33 1096.34,233.66 v1(1115,215)
  Bottom Layer w10: v1(425,512.69) 425,460.46 448,437.46 448,347 580,215 v1(1115,215)
NetP10_10: P10.10 P11.10 U1.35 | length 1002.6
  Top Layer w10: P10.10 v2(327.21,580) ; v1(975,260) 977.05,262.05 U1.35
  Bottom Layer w10: v2(327.21,580) 445,580 484,541 484,376 600,260 v1(975,260)
NetP10_11: P10.11 P11.11 U1.40 | length 1339.1
  Top Layer w10: 1074,339.88 1074,196.04 v1(1079.04,191) ; 1075.24,341.11 1075.24,377.28 U1.40
  Bottom Layer w10: v2(102.8,480) 163.91,480 196.99,446.92 413.08,446.92 430,430 430,335 574,191 v1(1079.04,191)
NetP10_14: P10.14 P11.14 U1.36 | length 1025.6
  Top Layer w10: P10.14@334.69,394.69 P10.14 334.69,365.31 P10.14@343.17,365.31 ; v1(978.7,170) 978.7,234 996,251.3 996,321.62 996.73,322.35 U1.36
  Bottom Layer w10: v2(327.21,380) 391.76,380 405,366.76 405,329 564,170 v1(978.7,170)
NetP10_19: P10.19 P11.19 U1.37 | length 1256.1
  Top Layer w10: P10.19 148.74,80 P10.19@163.74,65 ; v1(1000,105) 1000,229.85 1014,243.85 1014,314.16 1015.92,316.08 1015.92,377.02 U1.37
  Bottom Layer w10: P11.19 170,80 203.08,113.08 605.18,113.08 613.26,105 v1(1000,105)
  other v2: 100,78.91
NetP11_9: P11.9 U1.43 | length 1398.4
  Top Layer w10: v1(1135,270) 1135.71,270.71 U1.43@1135.71,377.52
  Bottom Layer w10: P11.9 194.57,580 228.15,546.42 443.58,546.42 455,535 455,455.91 466,444.91 466,361 588,239 1119,239 1135,255 v1(1135,270)
NetP12_1: P12.1 R19.1 | length 72.5
  Top Layer w10: R19.1 P12.1
NetP12_3: P12.3 R15.A1 U6.1 | length 877.1
  Top Layer w10: R15.A1 1505,1200 1650,1345 1650,1525 ; v1(1615,1525) 1650,1525 ; P12.3 1820.61,1610.61 1805.67,1610.61 1735.06,1540 1665,1540 1650,1525
NetP12_4: P12.4 R15.A2 U6.2 | length 817.2
  Top Layer w10: R15.A2 1248.42,1200.78 1248.42,1224.81 1253.43,1229.83 1474.83,1229.83 1588.32,1343.32 1588.32,1499.7 ; v1(1615,1499.7) 1588.32,1499.7 ; P12.4 1730,1605 1695,1570 1625,1570 1588.32,1533.32 1588.32,1499.7
NetP12_5: P12.5 R15.A3 U6.4 | length 749.4
  Top Layer w10: R15.A3 1227.95,1242.95 1240,1255 1465,1255 1555,1345 1555,1475 ; v1(1525,1472.5) 1552.5,1472.5 1555,1475 ; P12.5 1555,1545 1555,1475
NetP12_6: P12.6 R15.A4 U6.5 | length 702.4
  Top Layer w10: R15.A4 1208.27,1253.27 1240,1285 1440,1285 1495,1340 1495,1495 ; v1(1525,1499.7) 1499.7,1499.7 1495,1495 ; P12.6 1495,1585 1495,1499.7 1495,1495
NetP12_7: P12.7 R15.A5 U7.1 | length 597.7
  Top Layer w10: R15.A5 1188.58,1268.58 1245,1325 1245,1525 ; v1(1220,1525) 1245,1525 ; P12.7 1335,1525 1245,1525
NetP12_8: P12.8 R15.A6 U7.2 | length 557
  Top Layer w10: R15.A6 1168.9,1303.9 1185,1320 1185,1500 ; v1(1220,1499.7) 1185.3,1499.7 1185,1500 ; P12.8 1282.81,1572.81 1222.81,1572.81 1185,1535 1185,1500
NetP12_9: P12.9 R15.A7 U7.4 | length 491.8
  Top Layer w10: R15.A7 1149.21,1472.5 v1(1129.53,1472.5) 1130.68,1473.65 1148.65,1473.65 1155,1480 1155,1545 P12.9
NetP12_10: P12.10 R15.A8 U7.5 | length 462.2
  Top Layer w10: R15.A8 1129.53,1305.47 1106.53,1328.47 1106.53,1499.7 ; v1(1129.53,1499.7) 1106.53,1499.7 ; P12.10 1130,1535 1106.53,1511.53 1106.53,1499.7
NetP12_11: P12.11 R16.A1 U8.1 | length 451.5
  Top Layer w10: P12.11@1033.59,1616.41 P12.11 1030,1616.41 v1(1030,1525) 1031.15,1523.85 1035.85,1523.85 1060,1499.7 1060,1329.84 1034.37,1304.21 1034.37,1201.56 1033.59,1200.78 R16.A1
NetP12_12: P12.12 R16.A2 U8.2 | length 490.1
  Top Layer w10: P12.12 995,1555 995,1500 ; R16.A2 1014.69,1301.15 995,1320.84 995,1500 ; v1(1030,1500) 995,1500
NetP12_13: P12.13 R16.A3 U8.4 | length 538.7
  Top Layer w10: P12.13 899.69,1550.31 939.69,1550.31 965,1525 965,1494.38 v1@943.12,1472.5 ; v1(940,1475) 940,1319.84 995,1264.84 R16.A3 R16.A3@995,1195
NetP12_14: P12.14 R16.A4 U8.5 | length 611.1
  Top Layer w10: P12.14 730,1580 780,1530 877.81,1530 907.81,1500 ; v1(940,1500) 907.81,1500 ; R16.A4 975.32,1254.52 907.81,1322.03 907.81,1500
NetP12_15: P12.15 R16.A5 U9.1 | length 657.7
  Top Layer w10: P12.15 v1(630,1525) 645,1525 665,1505 665,1360 750,1275 910.46,1275 955.63,1229.83 R16.A5
NetP12_16: P12.16 R16.A6 U9.2 | length 726.5
  Top Layer w10: P12.16 530,1595 600,1525 600,1500 ; v1(630,1500) 600,1500 ; R16.A6 935.17,1200.78 935.17,1224.83 910,1250 725,1250 600,1375 600,1500
NetP12_17: P12.17 R16.A7 U9.4 | length 803.2
  Top Layer w10: P12.17 430,1571.17 451.17,1550 525,1550 565,1510 565,1475 ; v1(540.25,1475) 565,1475 ; R16.A7@917.04,1210 915.48,1210 915.48,1217.2 907.86,1224.81 698.62,1224.81 565,1358.43 565,1475
NetP12_18: P12.18 R16.A8 U9.5 | length 851.8
  Top Layer w10: P12.18 435,1515 504.25,1515 519.25,1500 ; v1(540.25,1500) 519.25,1500 ; R16.A8 665.25,1200 519.25,1346 519.25,1500
NetR7_2: R7.2 R11.1 U4.3 | length 333.1
  Bottom Layer w10: R7.2@1907.56,1090 v1(1950,1090) ; R11.1@1972.44,1090 v1(1950,1090) ; R11.1@1987.44,1090 v1(1950,1090) ; v1(2043,1260) 2005,1260 1950,1205 v1(1950,1090)
NetR9_2: R9.2 U4.2 U4.6 | length 444
  Top Layer w10: U4.6 v1(1925,1260) 1975,1210 U4.2
  Bottom Layer w10: R9.2@1835,1440 1925,1350 v1(1925,1260)
NetR12_2: R12.2 U5.3 | length 239.7
  Top Layer w10: R12.2@514.69,1150 545,1150 645,1050 U5.3
pads on no net: P6.2 P6.3 P6.4 P6.6 P6.7 P6.8 P6.10 P6.12 P6.13 P6.14 P6.16 P6.17 P6.18 P6.20 P7.2 P7.3 P7.4 P7.6 P7.7 P7.8 P7.10 P7.12 P7.13 P7.14 P7.16 P7.17 P7.18 P7.20 P10.5 P10.15 P10.16 P10.17 P10.18 P10.20 P11.5 P11.15 P11.16 P11.17 P11.18 P11.20 P12.2 P12.19 U1.27 U1.29 U1.42 U1.44 U1.45 U1.46 U1.60 U1.64 U4.1 U4.5 U4.8 U5.1 U5.5 U5.8 U6.6 U7.6 U8.6 U9.6
copper on no net:
  other v2: 102.8,180 102.8,280 102.8,780

## Polygon pours and split planes (outlines as drawn)
AGND on Bottom Layer "AGND_L04_P022" (solid, remove dead copper, pour order 22): 0,1105 345,1105 420,1030 420,593.25 570,443.25 570,440 1303,440 1397.98,534.98 1745,535 1750,530 1750,0 2135,0 2135,1735 0,1735
GND on Bottom Layer "Bottom Layer-GND" (solid, remove dead copper, pour order 18): 0,1095 342.11,1095 412,1025.11 410,1023 410,590 570,430 1310,430 1310,435 1401.18,526.18 1740,526.18 1740,0 0,0
AVSS on Powers (split plane): 759.9,1162.89 759.9,922.11 747.89,910.1 685,910.1 683.05,909.71 681.4,908.6 631.4,858.6 630.29,856.95 629.9,855 629.9,760.1 627.95,759.71 626.3,758.6 625.19,756.95 624.8,755 625.19,753.05 626.3,751.4 627.95,750.29 629.9,749.9 629.9,650 630.29,648.05 631.4,646.4 656.4,621.4 658.05,620.29 660,619.9 860,619.9 861.95,620.29 863.6,621.4 917.11,674.9 1362.33,674.9 1362.33,582.57 1362.72,580.62 1363.82,578.97 1396.3,546.49 1397.95,545.39 1399.9,545 1430.2,545 1432.15,545.39 1433.8,546.49 1473.6,586.3 1474.71,587.95 1475.1,589.9 1475.1,997.89 1567.11,1089.9 1877.89,1089.9 1929.9,1037.89 1929.9,147.11 1922.89,140.1 1765.1,140.1 1763.15,139.71 1761.49,138.6 1741.4,118.51 1740.29,116.85 1739.9,114.9 1739.9,20.1 20.1,20.1 20.1,1184.9 737.89,1184.9
no net on Powers (split plane): 2114.9,1300.2 1690.1,1300.2 1688.15,1299.81 1686.49,1298.7 1621.4,1233.6 1376.4,988.6 1375.29,986.95 1374.9,985 1374.9,923.77 1241.23,790.1 1145,790.1 1143.05,789.71 1141.4,788.6 1112.89,760.1 640.1,760.1 640.1,852.89 687.11,899.9 750,899.9 751.95,900.29 753.6,901.4 768.6,916.4 769.71,918.05 770.1,920 770.1,1165 769.71,1166.95 768.6,1168.6 743.6,1193.6 741.95,1194.71 740,1195.1 20.1,1195.1 20.1,1714.9 2114.9,1714.9
AVDD on Powers (split plane): 2114.9,20.1 1750.1,20.1 1750.1,112.79 1767.21,129.9 1925,129.9 1926.95,130.29 1928.6,131.4 1938.6,141.4 1939.71,143.05 1940.1,145 1940.1,1040 1939.71,1041.95 1938.6,1043.6 1883.6,1098.6 1881.95,1099.71 1880,1100.1 1565,1100.1 1563.05,1099.71 1561.4,1098.6 1466.4,1003.6 1465.29,1001.95 1464.9,1000 1464.9,592.01 1428.08,555.2 1402.01,555.2 1372.52,584.69 1372.52,677.57 1372.14,679.52 1371.03,681.18 1368.6,683.6 1366.95,684.71 1365,685.1 915,685.1 913.05,684.71 911.4,683.6 857.89,630.1 662.11,630.1 640.1,652.11 640.1,749.9 1115,749.9 1116.95,750.29 1118.6,751.4 1147.11,779.9 1243.35,779.9 1245.3,780.29 1246.95,781.4 1383.6,918.05 1384.71,919.7 1385.1,921.65 1385.1,982.89 1628.6,1226.4 1692.21,1290 2114.9,1290
DVDD on Powers (split plane): 891.4,476.4 893.05,475.29 895,474.9 1350,474.9 1351.95,475.29 1353.6,476.4 1402.11,524.9 1596.57,524.9 1619.9,501.57 1619.9,342.11 1407.89,130.1 1247.11,130.1 1220.1,157.11 1220.1,415 1219.71,416.95 1218.6,418.6 1213.6,423.6 1211.95,424.71 1210,425.1 237.11,425.1 220.1,442.11 220.1,502.89 257.11,539.9 614.9,539.9 616.85,540.29 618.51,541.4 647.01,569.9 797.89,569.9
AGND on GNDs (split plane): 2114.9,20.1 1752.05,20.1 1752.05,505.29 1751.66,507.24 1750.56,508.89 1749.96,509.29 1750.1,510 1749.71,511.95 1748.6,513.6 1728.6,533.6 1726.95,534.71 1725,535.1 1396.74,535.1 1394.79,534.71 1393.13,533.6 1299.62,440.1 572.11,440.1 420.1,592.11 420.1,1030 419.71,1031.95 418.6,1033.6 348.6,1103.6 346.95,1104.71 345,1105.1 20.1,1105.1 20.1,1714.9 2114.9,1714.9
GND on GNDs (split plane): 409.9,1027.89 409.9,590 410.29,588.05 411.4,586.4 566.4,431.4 568.05,430.29 570,429.9 1301.74,429.9 1303.69,430.29 1305.34,431.4 1398.85,524.9 1722.89,524.9 1741.4,506.4 1741.99,506 1741.85,505.29 1741.85,20.1 20.1,20.1 20.1,1094.9 342.89,1094.9

## Keep-outs
Top Layer:
  the board outline again, w10

## Other copper
Bottom Layer:
  pour cut-out: 880,808.08 880,400 1290,400 1290,804.85 1288.35,806.5
  pour cut-out: 370,370 370,40 1197.32,40 1197.32,370
GNDs (plane layer: these items are gaps in the copper):
  lines w10: 0,1100 345,1100 415,1030 415,590 570,435 1301.74,435 1396.74,530 1725,530 1745,510 ; 1745,0 1746.95,1.95 1746.95,505.29
Powers (plane layer: these items are gaps in the copper):
  lines w10: 0,1190 597.11,1190 740,1190 765,1165 765,920 750,905 685,905 635,855 635,650 660,625 860,625 915,680 1270,680 1365,680 1367.43,677.57 1367.43,582.57 1399.9,550.1 1430.2,550.1 1470,589.9 1470,1000 1565,1095 1880,1095 1935,1040 1935,145 1925,135 1765.1,135 1745,114.9 1745,0 ; 629.9,755 1115,755 1145,785 1243.35,785 1380,921.65 1380,985 1625,1230 1690.1,1295.1 2134.9,1295.1 ; 215,440 235,420 1210,420 1215,415 1215,155 1245,125 1410,125 1625,340 1625,503.68 1598.68,530 1400,530 1350,480 895,480 800,575 644.9,575 614.9,545 255,545 215,505 215,440

## Silkscreen, mask and mechanical layers (free items; w line width, h text height)
Top Overlay:
  lines w10: 30,1028.43 30,985 35,980 45,980 ; 265,80 1880,80 ; 327.21,680 400,680 400,980 327.21,980 ; 327.21,780 400,780 ; 327.21,880 400,880 ; 383.91,380 400,380 ; 383.91,478.91 395,478.91 ; 385,578.91 400,578.91 ; 400,825 425,825 ; 425,810 425,825 ; 425,840 425,827.52 425,825 ; 435,815 435,832.52 ; 445,820 445,825 ; 1660,595 1700,595 ; 1665,475 1692.95,475 ; 1692.52,454.56 1692.52,495 ; 1707.95,465 1707.95,486.75 ; 1722.95,470 1722.95,480 ; 1700,595 1700,620 1725,595 1700,570 1700,595
  text "REF" at 25,1605 h25
  text "BIAS" at 2105,1560 h25 r90
  text "+CH1-" at 340,1555 h25
  text "+CH2-" at 535,1555 h25
  text "+CH3-" at 735,1555 h25
  text "+CH4-" at 930,1555 h25
  text "+CH6-" at 1320,1550 h25
  text "+CH7-" at 1525,1550 h25
  text "+CH8-" at 1725,1550 h25
  text "+CH5-" at 1120,1545 h25
  text "BEATS-ADC" at 538.5,1280 h120
  text "REF'" at 1635,1060 h25
  text "#DRDY" at 15,1040 h25
  text "DIN" at 35,645.43 h25 r90
  text "BIAS'" at 1620,637.54 h25
  text "#PWDN" at 415,565 h25
  text "DSY" at 35,555 h25 r90
  text "DVDD" at 415,465 h25
  text "SCLK" at 35,435 h25 r90
  text "#RESET" at 415,370 h25
  text "#CS" at 35,345 h25 r90
  text "CLK" at 40,45 h25 r90

## Dimensions
320,80 to 2040,78.91 on Top Overlay
0,1745 to 2150,1735 on Top Overlay
2145,-5 to 2135,1735 on Top Overlay

## Text inside footprints (layer, text, board x,y; h text height)
P6: Bottom Overlay "2" at 2005,1073.91 h25 r90; Bottom Overlay "1" at 1905,1063.91 h25 r90; Bottom Overlay "19" at 1775,45 h25 r180; Bottom Overlay "20" at 2000,58.91 h25 r180
P7: Top Overlay "20" at 2050,20 h25; Top Overlay "19" at 1780,20 h25; Top Overlay "2" at 2051.81,1039.15 h25 r270; Top Overlay "1" at 1776.22,1027.34 h25 r270
P10: Top Overlay "20" at 335,27.05 h25; Top Overlay "19" at 50,30 h25; Top Overlay "2" at 331.81,1040.24 h25 r270; Top Overlay "1" at 56.22,1028.43 h25 r270
P11: Bottom Overlay "2" at 285,1075 h25 r90; Bottom Overlay "1" at 185,1065 h25 r90; Bottom Overlay "19" at 97.8,95 h25 r90; Bottom Overlay "20" at 357.8,95 h25 r90
U1: Top Overlay "*" at 1232.8,896.52 h25 r270; Mechanical 13 "*" at 1217.8,803.52 h25 r270
U6: Mechanical 13 "*" at 1595.5,1489.2 h25; Bottom Overlay "*" at 1637.25,1534.29 h25
U7: Mechanical 13 "*" at 1200.5,1489.2 h25; Bottom Overlay "*" at 1242.25,1534.29 h25
U8: Mechanical 13 "*" at 1010.25,1489.5 h25; Bottom Overlay "*" at 1052,1534.59 h25
U9: Mechanical 13 "*" at 610.75,1489.5 h25; Bottom Overlay "*" at 652.5,1534.59 h25